# Altium PCB waffling60-BAK.PcbDoc (part 1 of 2) (continued)
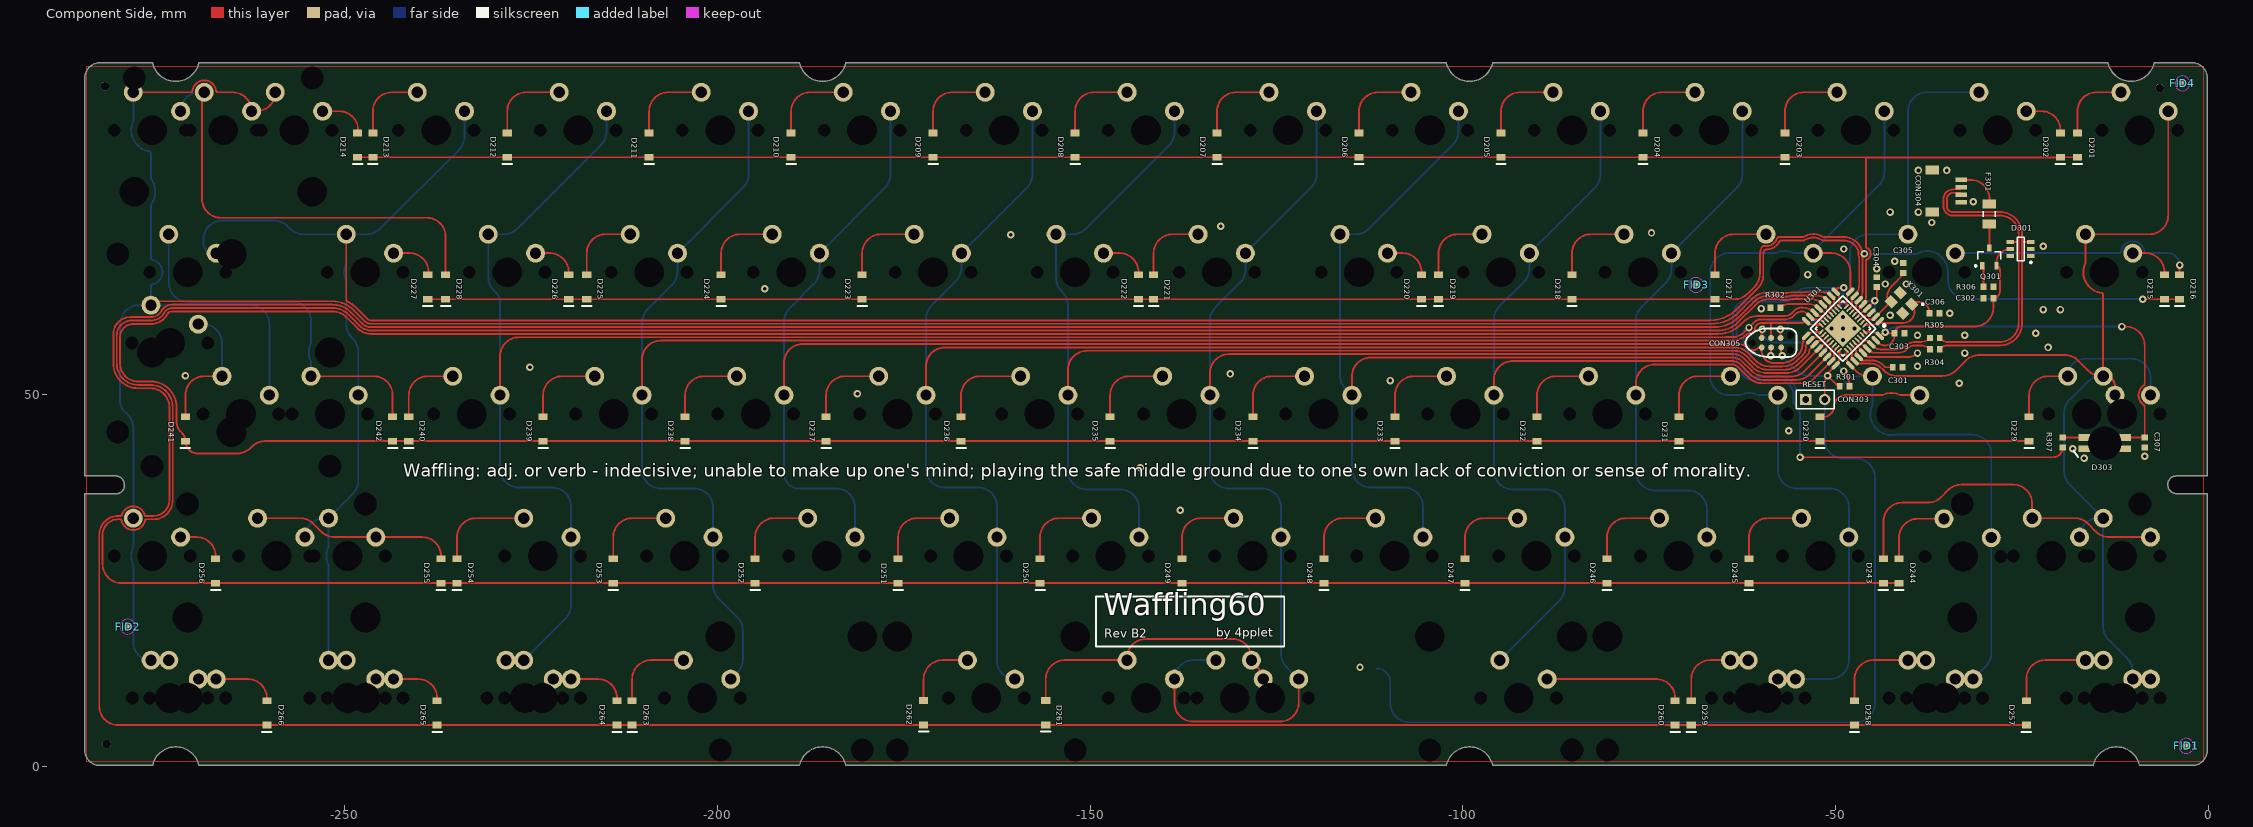
[diagram p0: Component Side view]
## Footprints (in the part's own frame and the unit in brackets; to place one, negate y for a bottom-side part, rotate by r counter-clockwise, add the part's x,y. Pads: shape width x height; smd on the part's side, far side on the other; paste and mask are expansions set on the pad) (continued)
  round 1 hole 1.702 unplated: ""(-5.08,0) ""(-2.699,0) ""(5.08,0) ""(7.461,0)
  round 1 on Mech14: ""(-4.763,0) ""(-2.381,0) ""(0,0) ""(2.381,0)
  round 1 hole 3.988 unplated: ""(0,0) ""(2.381,0)
"MX-switch - backspace" [mil]
  round 100 hole 59 mask+4: 1(100,200) 1(225,100) 2(-150,100) 2(475,200)
  round 60 hole 157.01 unplated: ""(-470,-325) ""(470,-325)
  round 60 hole 120 unplated: ""(-470,275) ""(470,275)
  round 39.37 hole 67.01 unplated: ""(-200,0) ""(175,0) ""(200,0) ""(575,0)
  round 39.37 hole 157.01 unplated: ""(0,0) ""(375,0)
  round 39.37 on Mech14: ""(0,0) ""(375,0)
"MX-SWITCH - CAPS" [mm]
  round 2.54 hole 1.499 mask+0.102: 1(-8.572,2.54) 1(2.54,5.08) 2(-3.81,2.54) 2(-2.222,5.08)
  round 1 hole 1.702 unplated: ""(-9.842,0) ""(5.08,0)
  round 1 hole 3.988 unplated: ""(-4.763,0) ""(0,0)
  round 1 on Mech14: ""(-4.763,0) ""(0,0)
"MX-switch - Enter" [mm]
  round 2.54 hole 1.499 mask+0.102: 1(2.54,5.08) 1(5.72,12.07) 2(-3.81,2.54) 2(12.07,14.61)
  round 1.524 hole 3.048 unplated: ""(-11.938,-6.985) ""(11.938,-6.985) ""(16.515,-2.408) ""(16.515,21.468)
  round 1.524 hole 3.988 unplated: ""(-11.938,8.255) ""(1.275,-2.408) ""(1.275,21.468) ""(11.938,8.255)
  round 1 hole 1.702 unplated: ""(-5.08,0) ""(4.45,9.53) ""(5.08,0) ""(14.61,9.53)
  round 1 hole 3.988 unplated: ""(0,0) ""(9.53,9.53)
  round 1 on Mech14: ""(0,0) ""(9.53,9.53)
"MX-SWITCH - L SPLIT SPACE_V2" [mil]
  round 100 hole 59 mask+4: 1(525,-100) 2(275,-200)
  round 60 hole 157.01 unplated: ""(-95,-325)
  round 60 hole 120 unplated: ""(-95,275)
  round 39.37 hole 67.01 unplated: ""(175,0) ""(575,0)
  round 39.37 hole 157.01 unplated: ""(375,0)
  round 39.37 on Mech14: ""(375,0)
"MX-SWITCH - LEFT SHIFT" [mil]
  round 100 hole 59 mask+4: 1(-525,100) 1(100,200) 2(-275,200) 2(-150,100)
  round 39.37 hole 67.01 unplated: ""(-575,0) ""(-200,0) ""(-175,0) ""(200,0)
  round 60 hole 157.01 unplated: ""(-470,-325) ""(470,-325)
  round 60 hole 120 unplated: ""(-470,275) ""(470,275)
  round 39.37 hole 157.01 unplated: ""(-375,0) ""(0,0)
  round 39.37 on Mech14: ""(-375,0) ""(0,0)
"MX-SWITCH - R SPLIT SPACE_V2" [mil]
  round 100 hole 59 mask+4: 1(150,-100) 2(-100,-200)
  round 60 hole 157.01 unplated: ""(-470,-325) ""(470,-325)
  round 60 hole 120 unplated: ""(-470,275) ""(470,275)
  round 39.37 hole 67.01 unplated: ""(-200,0) ""(200,0)
  round 39.37 hole 157.01 unplated: ""(0,0)
  round 39.37 on Mech14: ""(0,0)
"MX-SWITCH - RIGHT SHIFT" [mil]
  round 100 hole 59 mask+4: 1(-525,100) 1(100,200) 2(-275,200) 2(-150,100)
  round 39.37 hole 67.01 unplated: ""(-575,0) ""(-200,0) ""(-175,0) ""(200,0)
  round 60 hole 157.01 unplated: ""(-470,-325) ""(470,-325)
  round 60 hole 120 unplated: ""(-470,275) ""(470,275)
  round 39.37 hole 157.01 unplated: ""(-375,0) ""(0,0)
  round 39.37 on Mech14: ""(-375,0) ""(0,0)
"MX-SWITCH - SPACE_V3" [mil]
  round 100 hole 59 mask+4: 1(-806.55,100) 1(-368.75,200) 1(-150,100) 2(-618.75,100) 2(-556.55,200) 2(100,200)
  round 60 hole 120 unplated: ""(-2437.4,-275) ""(-2250,-275) ""(1499.61,-275) ""(2250,-275)
  round 60 hole 157.01 unplated: ""(-2437.4,325) ""(-2250,325) ""(1499.61,325) ""(2250,325)
  round 39.37 hole 67.01 unplated: ""(-856.55,0) ""(-268.75,0) ""(-200,0) ""(200,0)
  round 39.37 hole 157.01 unplated: ""(-656.55,0) ""(-468.75,0) ""(0,0)
  round 39.37 on Mech14: ""(-656.55,0) ""(-468.75,0) ""(0,0)
"MX-switch - switched pol" [mm]
  round 2.54 hole 1.499 mask+0.102: 1(2.54,5.08) 2(-3.81,2.54)
  round 1 hole 1.702 unplated: ""(-5.08,0) ""(5.08,0)
  round 1 hole 3.988 unplated: ""(0,0)
"MX-SWITCH - SWITCHED POL" [mm]
  round 2.54 hole 1.499 mask+0.102: 1(2.54,5.08) 2(-3.81,2.54)
  round 1 hole 1.702 unplated: ""(-5.08,0) ""(5.08,0)
  round 1 hole 3.988 unplated: ""(0,0)
R0603[1608] [mm] "Chip Resistor, 2-Leads, Body 1,57x0,80mm, IPC Medium Density"
  rect 0.8x0.85 smd: 1(-0.65,0) 2(0.65,0)
  body extent -0.83,-0.43 0.82,0.43, height 0.5
SK6812MINI-E [mm]
  rect 1.5x0.9 smd: 1(2.75,0.75) 2(2.75,-0.75) 3(-2.75,-0.75) 4(-2.75,0.75)
  round 1 hole 4.5 unplated: ""(0,0)
  silkscreen extent -4.19,-1.91 -3.56,-1.02, body extent -2.94,-1.4 2.94,1.4, height 0.94
SOD-123 [mm]
  rect 0.91x1.22 smd: 1(1.635,0) 2(-1.635,0)
  silkscreen extent -2.54,-0.64 -2.54,0.63, body extent -1.87,-0.85 1.88,0.85, height 1.2
SOT-23-3 [mm] "3.3v regulator, used in Windsond S2 proto 1"
  rect 1x0.55 smd: 1(-1.2,0.95) 2(-1.2,-0.95) 3(1.2,0)
  silkscreen extent -1.32,-1.55 0.7,1.95, body extent -1.45,-1.5 1.1,1.5, height 1
SOT-23-6 [mm]
  rect 1x0.55 smd: 1(-1.375,0.95) 2(-1.375,0) 3(-1.375,-0.95) 4(1.375,-0.95) 5(1.375,0) 6(1.375,0.95)
  silkscreen extent -1.5,-1.55 0.46,1.92, body extent -1.37,-1.44 1.47,1.49, height 1.05
TC2030-IDC-NL [mm] "Tag-Connect 6-Pin with No Legs (PN# TC2030-IDC-NL)"
  round 0.9 hole 0.995 unplated: 0(-2.54,0) 0(2.54,-1.016) 0(2.54,1.016)
  round 0.79 smd paste-0.39: 1(-1.27,-0.635) 2(-1.27,0.635) 3(0,-0.635) 4(0,0.635) 5(1.35,-0.635) 6(1.27,0.635)
  silkscreen extent -3.43,-1.91 3.43,1.9
XTAL-3225 [mm]
  rect 1.4x1.2 smd: 1(-1.1,-0.85) 2(1.1,-0.85) 3(1.1,0.85) 4(-1.1,0.85)
  silkscreen extent -2.28,-2.03 -2.03,-1.78, body extent -1.6,-1.25 1.6,1.25, height 0.65

## Part data
C301: library part Cap, "Capacitor", LCSC MFG="Samsung Electro-Mechanics", LCSC Part #=C15849, MFG=KEMET, MFGPN=C0603C104M5RACTU, MRF.Part=CL10A105KB8NNNC, Version="0603 imperial"
C302: library part Cap, "Capacitor", LCSC MFG="Samsung Electro-Mechanics", LCSC Part #=C19666, MRF.Part=CL10A475KO8NNNC
C303 C304 C307: library part Cap, "Capacitor", LCSC MFG=YAGEO, LCSC Part #=C14663, MFG=KEMET, MFGPN=C0603C104M5RACTU, MRF.Part=CC0603KRX7R9BB104, Version="0603 imperial"
C305 C306: library part Cap, "Capacitor", LCSC MFG="Samsung Electro-Mechanics", LCSC Part #=C1644, MRF.Part=CL10C150JB8NNNC, Version="0603 imperial"
CON303: "Header, 2-Pin"
CON304: "JST for USB daughter board", LCSC MFG="JST Sales America", LCSC Part #=C160404, MFG="JST Sales America Inc.", MFGPN=SM04B-SRSS-TB(LF)(SN), MRF.Part=SM04B-SRSS-TB(LF)(SN)
CON305: library part "Header 3X2", "TagConnect header"
D201 D202 D203 D204 D205 D206 D207 D208 D209 D210 D211 D212 D213 D214 D215 D216 D217 D218 D219 D220 D221 D222 D223 D224 D225 D226 D227 D228 D229 D230 D231 D232 D233 D234 D235 D236 D237 D238 D239 D240 D241 D242 D243 D244 D245 D246 D247 D248 D249 D250 D251 D252 D253 D254 D255 D256 D257 D258 D259 D260 D261 D262 D263 D264 D265 D266: "Default Diode", LCSC MFG=ST(Semtech), LCSC Part #=C81598, MRF.Part=1N4148W, Version=SOD-123
D301: LCSC MFG="ProTek Devices", LCSC Part #=C85364, MRF.Part=SRV05-4-P-T7
D303: LCSC MFG=TONYU, LCSC Part #=C524051, MRF.Part=DY-S352818/RGBC/6812-2T
F301: "Thermal Fuse", LCSC MFG="Shenzhen JDT Fuse", LCSC Part #=C135338, MFG="Bel Fuse Inc.", MFGPN=0ZCJ0050FF2G, MRF.Part=ASMD1206-050
Q301: "P-Channel Power MOSFET", LCSC MFG="Vishay Intertech", LCSC Part #=C10487, MRF.Part=SI2301CDS-T1-GE3, Version=SOT23-3
R301 R302 R306: "Resistor", LCSC MFG="Uniroyal Elec", LCSC Part #=C25804, MFG="Panasonic Electronic Components", MFGPN=ERJ-3EKF5101V, MRF.Part=0603WAF1002T5E, Version="0603 imperial"
R304 R305: "Resistor", LCSC MFG="Uniroyal Elec", LCSC Part #=C23345, MFG="Panasonic Electronic Components", MFGPN=ERJ-3EKF5101V, MRF.Part=0603WAF220JT5E, Version="0603 imperial"
R307: "Resistor", LCSC MFG="UNI-ROYAL(Uniroyal Elec)", LCSC Part #=C23179, MFG="Panasonic Electronic Components", MFGPN=ERJ-3EKF5101V, MRF.Part=0603WAF4700T5E, Version="0603 imperial"
S201 S202 S203 S204 S205 S206 S207 S208 S209 S210 S211 S212 S213 S214 S216 S217 S218 S219 S220 S221 S222 S223 S224 S225 S226 S227 S228 S228_2 S229 S230 S231 S232 S233 S234 S235 S236 S237 S238 S239 S240 S241 S242 S243 S244 S245 S246 S247 S248 S249 S250 S251 S252 S253 S254 S256 S257 S258 S259 S260 S261 S262 S263 S264 S265 S266 S269: library part SW-PB, "Switch"
S215: library part SW-PB, "TAB"
S301: "Switch", LCSC MFG="XKB Enterprise", LCSC Part #=C318888, MFG=C&K, MFGPN="PTS645SM43SMTR92 LFS", MRF.Part=TS-1187A-C-D-B
U301: LCSC MFG="Microchip Tech", LCSC Part #=C57345, MFG="Microchip Technology", MFGPN=ATMEGA32U2-AUR, MRF.Part=ATMEGA32U2-MU
X301: "Crystal Oscillator", LCSC MFG="Yangxing Tech", LCSC Part #=C13738, MRF.Part=X322516MLB4SI

## Free pads (board coordinates)
  round 1.152 hole 1.152 unplated paste+0.148 mask+0.148: ""(-282.194,91.313) ""(-281.94,3.048) ""(-6.477,91.059)

## Via types
v1: diameter 1, hole 0.5, Component Side to Bottom Layer, tented both sides, 57 vias
v2: diameter 1, hole 0.5, Component Side to Bottom Layer, tented bottom, 5 vias

## Nets (pads, with @x,y where several pads share a name; then routed paths per layer and width w, separated by ;. In a path a pad name is that pad's centre, name@x,y a point inside that pad or via, vN(x,y) a via of type N, cw(c..) or ccw(c..) an arc to the next point about the centre after c; other vN are vias at no path point)
col1: S201.2 S215.2 S229.2 S243.2 S257.1 U301.26 | length 141.6
  Component Side w0.254: U301.26@-48.171,56.217 -48.076,56.122 cw(c-48.825,55.372) -47.765,55.372 -47.765,55.227 ccw(c-46.615,55.227) U301.26@-47.428,54.414 ; U301.26@-47.148,54.077 -45.287,54.077 cw(c-45.287,51.995) -43.816,53.468 ; -43.815,53.467 -43.543,53.195 ccw(c-41.747,54.991) -41.747,52.451 -35.596,52.451 ccw(c-35.596,54.991) -33.8,53.195 -32.494,54.501 cw(c-30.698,52.705) -30.698,55.245 -19.213,55.245 cw(c-19.213,52.705) -17.417,54.501 -16.055,53.139 ccw(c-14.259,54.935) -14.259,52.395 S229.2@-14.071,52.395 S229.2@-14.071,52.579 ; -16.63,65.589 cw(c-13.912,66.365) -16.476,67.554 ; S229.2@-12.484,49.855 -12.484,50.984 ccw(c-14.079,50.984) S229.2@-14.071,52.579 ; S201.2@-5.34,87.955 -5.34,73.985 cw(c-7.88,73.985) -7.88,71.445 S215.2@-16.452,71.445 -16.452,67.662 cw(c-16.706,67.661) -16.475,67.555 cw(c-16.706,67.661) -16.476,67.554 ; -16.476,67.554 ccw(c-13.912,66.365) -14.291,63.565 cw(c-14.325,63.313) -14.071,63.312 S229.2@-14.071,52.579
  Bottom Layer w0.254: S243.2@-17.246,30.805 cw(c-14.706,30.805) -14.706,33.345 S243.2@-14.071,33.345 ; S229.2@-14.071,52.395 -14.371,52.395 ccw(c-14.371,49.855) -16.167,51.651 -18.56,49.258 ccw(c-16.764,47.462) -19.304,47.462 -19.304,39.63 ccw(c-16.764,39.63) -18.56,37.834 S243.2@-14.071,33.345 ; S257.1@-10.102,11.755 -10.102,12.733 ccw(c-12.642,12.733) -10.846,14.529 -13.327,17.01 cw(c-11.531,18.806) -14.071,18.806 S243.2@-14.071,33.345
col2: S202.2 S216.2 S230.2 S244.1 S258.1 U301.25 | length 147.1
  Component Side w0.254: U301.25@-48.524,55.863 -48.524,55.128 ccw(c-46.714,55.128) U301.25@-47.994,53.848 -47.285,53.139 ccw(c-45.489,54.935) -45.489,52.395 S230.2@-45.027,52.395
  Bottom Layer w0.254: -62.353,53.506 ccw(c-64.077,52.395) -62.691,53.906 ; -55.111,50.546 cw(c-55.081,50.798) -55.32,50.713 ccw(c-57.727,49.855) -56.801,52.237 ccw(c-57.727,49.855) -56.802,52.237 ccw(c-57.727,49.855) -58.526,52.283 cw(c-58.606,52.524) -58.606,52.27 -60.706,52.27 cw(c-60.706,54.356) -61.988,52.71 cw(c-61.831,52.91) -62.078,52.853 ccw(c-64.077,52.395) -62.476,53.677 ccw(c-64.077,52.395) -62.691,53.906 ; -55.111,50.546 -50.709,50.546 ccw(c-50.709,53.086) -48.913,51.29 -48.552,51.651 cw(c-46.756,49.855) -46.756,52.395 S230.2@-45.027,52.395 -45.027,48.612 cw(c-45.281,48.611) -45.051,48.504 ccw(c-42.487,47.315) -41.825,44.568 -31.643,44.568 cw(c-31.643,44.548) -31.623,44.548 cw(c-31.623,42.008) -29.083,42.008 S244.1@-29.083,30.734 -29.083,15.257 cw(c-31.623,15.257) -29.827,13.461 S258.1@-31.533,11.755 ; S202.2@-30.74,90.495 -37.725,90.495 ccw(c-37.725,87.955) -40.265,87.955 S216.2@-40.265,71.445 -45.528,71.445 ccw(c-45.528,68.905) -48.068,68.905 -48.068,64.262 cw(c-48.895,64.262) -49.52,63.72 ccw(c-49.712,63.554) -49.713,63.808 -53.765,63.808 ccw(c-53.765,62.528) -54.671,63.432 -54.814,63.289 cw(c-56.932,65.405) -56.932,62.411 -61.211,62.411 ccw(c-61.211,60.325) -63,61.397 ccw(c-61.211,60.325) -63.297,60.325 -63.297,57.785 -63.297,54.455 ccw(c-63.043,54.455) -63.157,54.228 cw(c-64.077,52.395) -62.692,53.907 cw(c-64.077,52.395) -62.691,53.906
col3: S203.2 S217.2 S231.2 S245.2 S260.1 U301.8 | length 125.5
  Component Side w0.254: S217.2@-52.965,68.905 -50.534,68.905 cw(c-50.534,66.365) -47.994,66.365 U301.8@-47.994,63.747 ccw(c-46.714,62.467) -48.524,62.467 U301.8@-48.524,61.732
  Bottom Layer w0.254: S260.1@-55.346,11.755 -50.742,11.755 ccw(c-50.742,14.295) -48.202,14.295 -48.202,28.161 S245.2@-48.202,30.805 -48.202,34.798 ccw(c-50.742,34.798) -50.742,37.338 -55.187,37.338 cw(c-55.187,39.878) -57.727,39.878 S231.2@-57.727,49.855 -60.242,49.855 cw(c-60.242,50.109) -60.349,49.879 ccw(c-61.537,47.315) -62.726,49.879 cw(c-62.833,50.109) -62.833,49.855 -64.262,49.855 cw(c-64.262,52.395) -66.802,52.395 -66.802,66.365 cw(c-64.262,66.365) -64.262,68.905 -58.071,68.905 ccw(c-58.071,69.159) -57.964,68.929 cw(c-56.775,66.365) -55.586,68.929 ccw(c-55.479,69.159) -55.479,68.905 S217.2@-52.965,68.905 -52.965,69.215 -44.184,77.996 ccw(c-45.98,79.792) -43.44,79.792 S203.2@-43.44,87.955
col4: S204.2 S218.2 S232.2 S246.2 U301.23 | length 103.4
  Component Side w0.254: S232.2@-76.777,49.855 -76.777,51.452 cw(c-74.237,51.452) -74.237,53.992 -63.979,53.992 cw(c-63.979,52.633) -63.019,53.595 ; -63.018,53.594 -61.62,52.196 ccw(c-59.824,53.992) -59.824,51.452 -54.553,51.452 ccw(c-54.553,53.992) -52.757,52.196 U301.23@-50.54,54.414 ccw(c-51.444,55.318) -50.165,55.318 -50.165,55.499 cw(c-49.32,55.499) -49.918,56.096 U301.23@-49.797,56.217
  Bottom Layer w0.254: S246.2@-67.252,30.805 -67.252,34.544 ccw(c-69.792,34.544) -69.792,37.084 -74.237,37.084 cw(c-74.237,39.624) -76.777,39.624 S232.2@-76.777,49.855 -76.777,59.838 cw(c-74.237,59.838) -76.034,61.634 -72.759,64.909 ccw(c-74.555,66.705) -72.015,66.705 S218.2@-72.015,68.905 -63.234,77.686 ccw(c-65.03,79.482) -62.49,79.482 S204.2@-62.49,87.955
col5: S205.2 S219.2 S233.2 S247.2 S261.2 U301.22 | length 142.3
  Component Side w0.254: S233.2@-95.827,49.855 -95.827,51.906 cw(c-93.287,51.906) -93.287,54.446 -63.884,54.446 cw(c-63.884,52.811) -62.897,54.115 -61.432,52.65 ccw(c-59.636,54.446) -59.636,51.906 -55.231,51.906 ccw(c-55.231,54.446) -53.435,52.65 U301.22@-51.105,54.979 -50.737,55.347 ccw(c-51.016,55.626) -50.622,55.626 cw(c-49.48,55.626) -50.288,56.434 U301.22@-50.151,56.57
  Bottom Layer w0.254: S261.2@-95.033,14.295 -87.046,22.282 ccw(c-88.842,24.078) -86.302,24.078 S247.2@-86.302,30.805 -86.302,34.671 ccw(c-88.842,34.671) -88.842,37.211 -93.287,37.211 cw(c-93.287,39.751) -95.827,39.751 S233.2@-95.827,49.855 -95.827,59.965 cw(c-93.287,59.965) -95.084,61.761 -91.809,65.036 ccw(c-93.605,66.832) -91.065,66.832 S219.2@-91.065,68.905 -82.284,77.686 ccw(c-84.08,79.482) -81.54,79.482 S205.2@-81.54,87.955
col6: S206.2 S220.2 S234.2 S248.2 U301.21 | length 144.3
  Component Side w0.254: S234.2@-114.877,49.855 -114.877,52.36 cw(c-112.337,52.36) -112.337,54.9 -63.805,54.9 cw(c-63.805,53.024) -62.613,54.473 -61.244,53.104 ccw(c-59.448,54.9) -59.448,52.36 -55.908,52.36 ccw(c-55.908,54.9) -54.112,53.104 U301.21@-51.671,55.545 cw(c-51.159,55.545) -51.521,55.907 U301.21@-50.504,56.924
  Bottom Layer w0.254: S248.2@-105.352,30.805 -105.352,34.925 ccw(c-107.892,34.925) -107.892,37.465 -112.337,37.465 cw(c-112.337,40.005) -114.877,40.005 S234.2@-114.877,49.855 -115.721,50.699 cw(c-113.925,52.495) -116.465,52.495 S220.2@-116.465,71.445 -114.392,71.445 ccw(c-114.392,73.985) -112.596,72.189 -101.334,83.451 ccw(c-103.13,85.247) -100.59,85.247 S206.2@-100.59,87.955
col7: S207.2 S221.2 S235.2 S249.2 S262.1 U301.20 | length 213.1
  Component Side w0.254: S262.1@-138.689,11.755 -138.689,8.582 ccw(c-136.149,8.582) -136.149,6.042 -124.553,6.042 ccw(c-124.553,8.582) -124.552,6.042 ccw(c-124.553,8.582) -122.013,8.582 S262.1@-122.013,11.755 ; S235.2@-133.927,49.855 -133.927,52.814 cw(c-131.387,52.814) -131.387,55.354 -63.706,55.354 cw(c-63.706,53.261) -62.369,54.871 -61.056,53.558 ccw(c-59.26,55.354) -59.26,52.814 -56.586,52.814 ccw(c-56.586,55.354) -54.789,53.558 U301.20@-52.237,56.111 ccw(c-52.237,56.623) -51.875,56.261 U301.20@-50.858,57.277 ; S262.1@-133.443,14.295 S262.1@-133.443,14.605
  Bottom Layer w0.254: S262.1@-138.689,11.755 cw(c-136.149,11.755) -136.149,14.295 -133.443,14.295 S262.1@-133.443,14.351 ; S262.1@-122.013,11.755 -123.658,13.4 cw(c-121.862,15.196) -124.402,15.196 S249.2@-124.402,30.805 -124.402,34.798 ccw(c-126.942,34.798) -126.942,37.338 -131.387,37.338 cw(c-131.387,39.878) -133.927,39.878 S235.2@-133.927,49.855 -133.927,59.838 cw(c-131.387,59.838) -133.184,61.634 -129.909,64.909 ccw(c-131.705,66.705) -129.165,66.705 S221.2@-129.165,68.905 -120.384,77.686 ccw(c-122.18,79.482) -119.64,79.482 S207.2@-119.64,87.955
col8: S208.2 S222.2 S236.2 S250.2 U301.19 | length 182.5
  Component Side w0.254: S236.2@-152.977,49.855 -152.977,53.268 cw(c-150.437,53.268) -150.437,55.808 -63.618,55.808 cw(c-63.618,53.474) -62.118,55.262 -60.868,54.012 ccw(c-59.072,55.808) -59.072,53.268 -56.874,53.268 ccw(c-56.874,56.051) -54.908,54.082 ccw(c-56.874,56.051) -54.906,54.083 -53.711,55.279 ccw(c-54.185,55.753) -53.514,55.753 cw(c-53.003,55.753) -53.365,56.114 U301.19@-52.802,56.676 -52.602,56.877 cw(c-51.943,56.219) -51.943,57.15 ccw(c-51.943,57.755) -51.515,57.327 U301.19@-51.211,57.631
  Bottom Layer w0.254: S250.2@-143.452,30.805 -143.452,34.671 ccw(c-145.992,34.671) -145.992,37.211 -150.437,37.211 cw(c-150.437,39.751) -152.977,39.751 S236.2@-152.977,49.855 -152.977,61.882 ccw(c-155.517,61.882) -153.721,63.678 -153.821,63.778 cw(c-152.025,65.574) -154.565,65.574 S222.2@-154.565,71.445 -152.365,71.445 ccw(c-152.365,73.985) -150.569,72.189 -139.434,83.324 ccw(c-141.23,85.12) -138.69,85.12 S208.2@-138.69,87.955
col9: S209.2 S223.2 S237.2 S251.2 S263.1 U301.18 | length 219.1
  Component Side w0.254: S237.2@-172.027,49.855 -172.027,53.722 cw(c-169.487,53.722) -169.487,56.262 -63.528,56.262 cw(c-63.528,53.722) -61.863,55.64 ; -61.859,55.645 -60.68,54.466 ccw(c-58.884,56.262) -58.884,53.722 -57.062,53.722 ccw(c-57.062,56.505) -55.096,54.536 ccw(c-57.062,56.505) -55.095,54.537 -54.391,55.241 ccw(c-55.411,56.261) -53.968,56.261 cw(c-53.048,56.261) -53.699,56.911 U301.18@-53.368,57.242 cw(c-52.364,56.238) -52.364,57.658 -52.197,57.658 ccw(c-52.197,58.396) -51.675,57.874 U301.18@-51.565,57.985
  Bottom Layer w0.254: S263.1@-160.121,11.755 cw(c-160.121,14.137) -162.502,14.137 S251.2@-162.502,30.805 -162.502,34.925 ccw(c-165.042,34.925) -165.042,37.465 -169.487,37.465 cw(c-169.487,40.005) -172.027,40.005 S237.2@-172.027,49.855 -172.027,60.092 cw(c-169.487,60.092) -171.284,61.888 -168.009,65.163 ccw(c-169.805,66.959) -167.265,66.959 S223.2@-167.265,68.905 -158.484,77.686 ccw(c-160.28,79.482) -157.74,79.482 S209.2@-157.74,87.955
col10: CON305.1 S210.2 S224.2 S238.2 S252.2 U301.17 | length 219.2
  Component Side w0.254: S238.2@-191.077,49.855 -191.077,54.176 cw(c-188.537,54.176) -188.537,56.716 -62.983,56.716 cw(c-62.983,55.124) -61.857,56.25 -61.786,56.179 ccw(c-61.065,56.9) -61.609,56.037 ccw(c-61.065,56.9) -61.065,55.88 ccw(c-61.065,56.747) -60.589,56.022 cw(c-60.013,55.446) -60.456,56.13 cw(c-60.013,55.446) -60.013,56.261 CON305.1@-59.897,56.261 -59.897,55.78 ccw(c-58.293,55.78) -58.293,54.176 -57.25,54.176 ccw(c-57.25,56.959) -55.284,54.99 ccw(c-57.25,56.959) -55.283,54.991 -54.972,55.302 ccw(c-56.299,56.629) -54.422,56.629 cw(c-52.755,56.629) U301.17@-53.934,57.808 cw(c-52.653,56.527) -52.653,58.338 U301.17@-51.918,58.338
  Bottom Layer w0.254: S252.2@-181.552,30.805 -181.552,34.798 ccw(c-184.092,34.798) -184.092,37.338 -189.103,37.338 cw(c-189.103,39.312) -191.077,39.312 S238.2@-191.077,49.855 -191.077,59.711 cw(c-188.537,59.711) -190.334,61.507 -187.059,64.782 ccw(c-188.855,66.578) -186.315,66.578 S224.2@-186.315,68.905 -177.534,77.686 ccw(c-179.33,79.482) -176.79,79.482 S210.2@-176.79,87.955
col11: CON305.4 S211.2 S225.2 S239.2 S253.2 S264.2 U301.16 | length 259.2
  Component Side w0.254: S239.2@-210.127,49.855 -210.127,54.63 cw(c-207.587,54.63) -207.587,57.17 -65.014,57.17 ccw(c-65.014,60.618) -64.984,57.17 -64.094,57.178 -63.916,57.179 ccw(c-63.942,60.173) -62.597,57.499 ; -62.649,57.473 ccw(c-63.942,60.173) -62.597,57.499 ; -60.81,58.666 ccw(c-61.595,58.928) -60.768,58.9 ; CON305.4@-58.627,57.531 -58.627,59.497 -58.674,59.544 ; U301.16@-51.918,59.257 -52.653,59.257 cw(c-52.653,61.068) U301.16@-53.934,59.788 cw(c-54.522,60.376) -54.522,59.544 -58.674,59.544 ; -62.597,57.499 ccw(c-63.942,60.173) -61.85,58.031 cw(c-61.672,57.85) -61.654,58.103 ccw(c-61.595,58.928) -61.226,58.188 ccw(c-61.595,58.928) -60.768,58.9 ; -60.768,58.9 cw(c-60.515,58.891) -60.751,58.983 ; -60.768,58.9 cw(c-60.515,58.891) -60.768,58.901 cw(c-60.515,58.891) -60.751,58.983 ; -60.751,58.983 cw(c-59.933,58.666) -59.933,59.544 -58.674,59.544
  Bottom Layer w0.254: S264.2@-198.221,11.755 -197.34,12.636 ccw(c-199.136,14.432) -196.596,14.432 -196.596,18.252 ccw(c-199.136,18.252) -197.34,20.048 -199.858,22.566 cw(c-198.062,24.362) -200.602,24.362 S253.2@-200.602,30.805 -200.602,34.798 ccw(c-203.142,34.798) -203.142,37.338 -207.587,37.338 cw(c-207.587,39.878) -210.127,39.878 S239.2@-210.127,49.855 -210.127,59.584 cw(c-207.587,59.584) -209.384,61.38 -206.109,64.655 ccw(c-207.905,66.451) -205.365,66.451 S225.2@-205.365,68.905 -196.584,77.686 ccw(c-198.38,79.482) -195.84,79.482 S211.2@-195.84,87.955
col12: CON305.3 S212.2 S226.2 S240.2 S254.2 S265.2 U301.15 | length 286.2
  Component Side w0.254: S240.2@-229.177,49.855 -229.177,55.084 cw(c-226.637,55.084) -226.637,57.624 -65.014,57.624 ccw(c-65.014,60.618) -64.778,57.633 -63.942,57.633 ccw(c-63.942,60.173) -62.146,58.377 v1(-61.595,58.928) -60.846,59.677 cw(c-60.071,58.902) -60.071,59.998 -56.902,59.998 ccw(c-56.902,61.982) -55.5,60.578 -55.32,60.758 cw(c-54.526,59.964) -54.526,61.087 -54.483,61.087 cw(c-54.483,60.166) -53.832,60.817 U301.15@-53.368,60.353 ccw(c-52.555,61.167) -52.555,60.017 -52.324,60.017 cw(c-52.324,59.163) -51.721,59.767 U301.15@-51.565,59.611 ; v1(-58.674,55.118) -58.627,55.165 CON305.3@-58.627,56.261
  Bottom Layer w0.254: S265.2@-226.002,14.295 -220.396,19.901 ccw(c-222.192,21.697) -219.652,21.697 S254.2@-219.652,30.805 -219.652,34.925 ccw(c-222.192,34.925) -222.192,37.465 -226.695,37.465 cw(c-226.695,39.947) -229.177,39.947 S240.2@-229.177,49.855 -229.177,62.262 ccw(c-231.108,62.262) -229.743,63.627 -230.021,63.905 cw(c-228.225,65.701) -230.765,65.701 S226.2@-230.765,71.445 -228.692,71.445 ccw(c-228.692,73.985) -226.896,72.189 -215.634,83.451 ccw(c-217.43,85.247) -214.89,85.247 S212.2@-214.89,87.955 ; v1(-61.595,58.928) ccw(c-61.595,58.185) -62.338,58.185 -62.338,57.34 ccw(c-60.116,57.34) -60.116,55.118 v1(-58.674,55.118)
col13: S213.2 S227.2 S228.2 S228_2.2 S241.2 S256.2 U301.7 | length 341.8
  Component Side w0.254: S227.2@-249.815,71.445 -249.815,62.899 ccw(c-247.699,62.899) -249.798,62.631 ccw(c-249.546,62.662) -249.66,62.436 cw(c-251.623,58.547) -248.542,61.626 -247.699,60.784 -247.022,60.106 ccw(c-246.51,60.618) -246.851,59.98 ccw(c-246.51,60.618) -246.51,59.894 -66.895,59.894 ccw(c-66.895,65.158) -63.172,61.436 -60.434,64.174 ccw(c-62.23,65.97) -59.69,65.97 -59.69,68.526 cw(c-57.604,68.526) -59.569,69.226 cw(c-59.33,69.14) -59.328,69.394 ccw(c-59.315,71.445) -57.506,70.478 cw(c-57.282,70.358) -57.281,70.612 -54.27,70.612 ccw(c-54.27,70.866) -54.13,70.655 cw(c-52.965,68.905) -51.8,70.655 ccw(c-51.66,70.866) -51.66,70.612 -48.895,70.612 cw(c-48.895,68.526) -47.375,69.955 ; U301.7@-48.171,61.379 -47.991,61.559 ccw(c-48.535,62.103) -47.765,62.103 -47.765,62.369 cw(c-46.615,62.369) U301.7@-47.428,63.182 ccw(c-48.922,64.676) -46.809,64.676 -46.809,68.34 ccw(c-47.063,68.341) -46.809,68.342 ccw(c-47.063,68.341) -46.837,68.457 cw(c-46.101,68.834) -46.905,69.029 ccw(c-47.152,69.089) -46.898,69.101 ccw(c-47.152,69.089) -46.91,69.166 ccw(c-48.895,68.526) -47.071,69.537 ccw(c-48.895,68.526) -47.733,70.259
  Bottom Layer w0.254: S228.2@-267.277,68.905 -267.66,68.905 cw(c-267.66,70.231) -268.986,70.231 -268.986,70.739 cw(c-266.446,70.739) -266.446,73.279 -259.497,73.279 cw(c-259.497,70.739) -257.701,72.535 -257.302,72.136 ccw(c-255.634,73.804) -255.634,71.445 S227.2@-249.815,71.445 ; S256.2@-255.27,30.805 cw(c-252.73,30.805) -252.73,33.345 S256.2@-252.195,33.345 ; S241.2@-252.195,14.295 -252.195,26.968 ccw(c-252.449,26.969) -252.219,27.076 cw(c-249.655,28.265) -252.219,29.454 ccw(c-252.449,29.561) -252.195,29.562 S256.2@-252.195,33.345 ; S213.2@-233.94,87.955 -233.94,84.612 cw(c-236.48,84.612) -234.684,82.816 -245.311,72.189 cw(c-247.107,73.985) -247.107,71.445 S227.2@-249.815,71.445 ; S256.2@-252.195,33.345 -248.946,36.594 ccw(c-250.742,38.39) -248.202,38.39 S228_2.2@-248.202,49.855 -248.202,55.634 ccw(c-250.742,55.634) -248.946,57.43 -249.071,57.555 cw(c-247.275,59.351) -249.815,59.351 -249.815,65.068 ccw(c-250.069,65.069) -249.839,65.176 cw(c-247.275,66.365) -249.839,67.554 ccw(c-250.069,67.661) -249.815,67.662 S227.2@-249.815,71.445
col14: S214.2 S242.2 S259.2 S266.2 S269.2 U301.10 | length 365.9
  Component Side w0.254: S259.2@-278.39,90.495 -272.542,90.495 -270.698,90.495 ccw(c-270.698,90.749) -270.447,90.714 cw(c-268.865,90.495) -270.403,90.924 cw(c-268.865,90.495) -268.362,92.011 cw(c-268.865,90.495) -268.36,92.01 cw(c-268.865,90.495) -267.283,90.714 ccw(c-267.032,90.749) -267.032,90.495 -265.055,90.495 cw(c-265.055,87.955) S259.2@-262.515,87.955 -261.88,87.955 ccw(c-261.88,90.495) S214.2@-259.34,90.495 ; S242.2@-276.02,61.925 cw(c-275.496,61.925) -275.496,62.449 -251.623,62.449 cw(c-251.623,58.547) -250.641,62.323 cw(c-251.623,58.547) -248.863,61.305 -248.592,61.034 -247.342,59.784 ccw(c-246.51,60.618) -247.329,59.772 ccw(c-246.51,60.618) -246.51,59.44 -66.518,59.44 ccw(c-66.518,64.25) -63.119,60.847 ccw(c-66.518,64.25) -63.117,60.849 -61.209,62.757 ; -61.209,62.757 cw(c-59.017,60.565) -59.017,63.665 -57.647,63.665 cw(c-57.646,63.411) -57.574,63.655 ccw(c-56.775,66.365) -55.976,63.655 cw(c-55.904,63.411) -55.903,63.665 -51.706,63.665 cw(c-51.706,62.015) U301.10@-50.54,63.182 cw(c-51.444,62.277) -50.165,62.277 -50.165,62.103 ccw(c-49.304,62.103) -49.913,61.494 U301.10@-49.797,61.379
  Bottom Layer w0.254: S259.2@-278.003,90.108 ccw(c-278.39,90.108) S259.2@-278.39,90.495 -278.39,86.712 cw(c-278.644,86.711) -278.414,86.604 ccw(c-275.85,85.415) -277.591,83.189 cw(c-277.747,82.989) -277.58,83.18 ccw(c-276.02,84.964) -276.486,82.641 ; -276.02,82.174 -276.02,81.534 -276.02,78.963 ccw(c-275.766,78.963) -275.972,78.814 cw(c-278.263,77.16) -275.972,75.506 ccw(c-275.766,75.357) -276.02,75.357 -276.02,68.26 ccw(c-275.766,68.26) -275.819,68.011 cw(c-276.167,66.365) -275.819,64.719 ccw(c-275.766,64.47) -276.02,64.47 S242.2@-276.02,61.925 ; -276.02,82.175 ccw(c-276.486,82.174) -276.335,82.615 ; S266.2@-276.008,14.295 cw(c-276.008,16.671) -278.384,16.671 -278.384,26.955 ccw(c-278.638,26.956) -278.408,27.064 cw(c-275.85,28.265) -278.408,29.466 ccw(c-278.638,29.574) -278.384,29.575 -278.384,33.345 S269.2@-278.39,33.345 -278.39,45.436 ccw(c-280.93,45.436) -279.134,47.232 -279.654,47.752 cw(c-278.428,48.978) -280.162,48.978 -280.162,59.385 cw(c-277.622,59.385) -277.622,61.925 S242.2@-276.02,61.925 ; S242.2@-260.14,49.855 -260.14,59.385 ccw(c-262.68,59.385) -262.68,61.925 S242.2@-276.02,61.925 ; -276.486,82.641 ccw(c-276.02,84.964) -276.335,82.615 ; -276.486,82.641 cw(c-276.486,82.174) -276.335,82.615
D_N: CON304.2 D301.4 R305.2 | length 41.8
  Component Side w0.254: R305.2@-36.001,57.531 -35.851,57.381 ccw(c-34.925,58.308) -34.925,56.998 -27.94,56.998 ccw(c-27.94,59.538) -25.4,59.538 -25.4,70.485 ; CON304.2@-33.125,77.75 cw(c-33.396,77.75) -33.396,77.479 -34.163,77.479 ccw(c-34.163,76.132) -35.509,76.132 -35.509,75.184 ccw(c-34.29,75.184) -34.29,73.965 -27.94,73.965 cw(c-27.94,71.425) -25.4,71.425 -25.4,70.485 ; D301.4@-26.521,70.419 -25.466,70.419 ccw(c-25.466,70.485) -25.4,70.485